# Altium PCB dashcam_cpu_v2.0.PcbDoc (part 3 of 4) (continued)
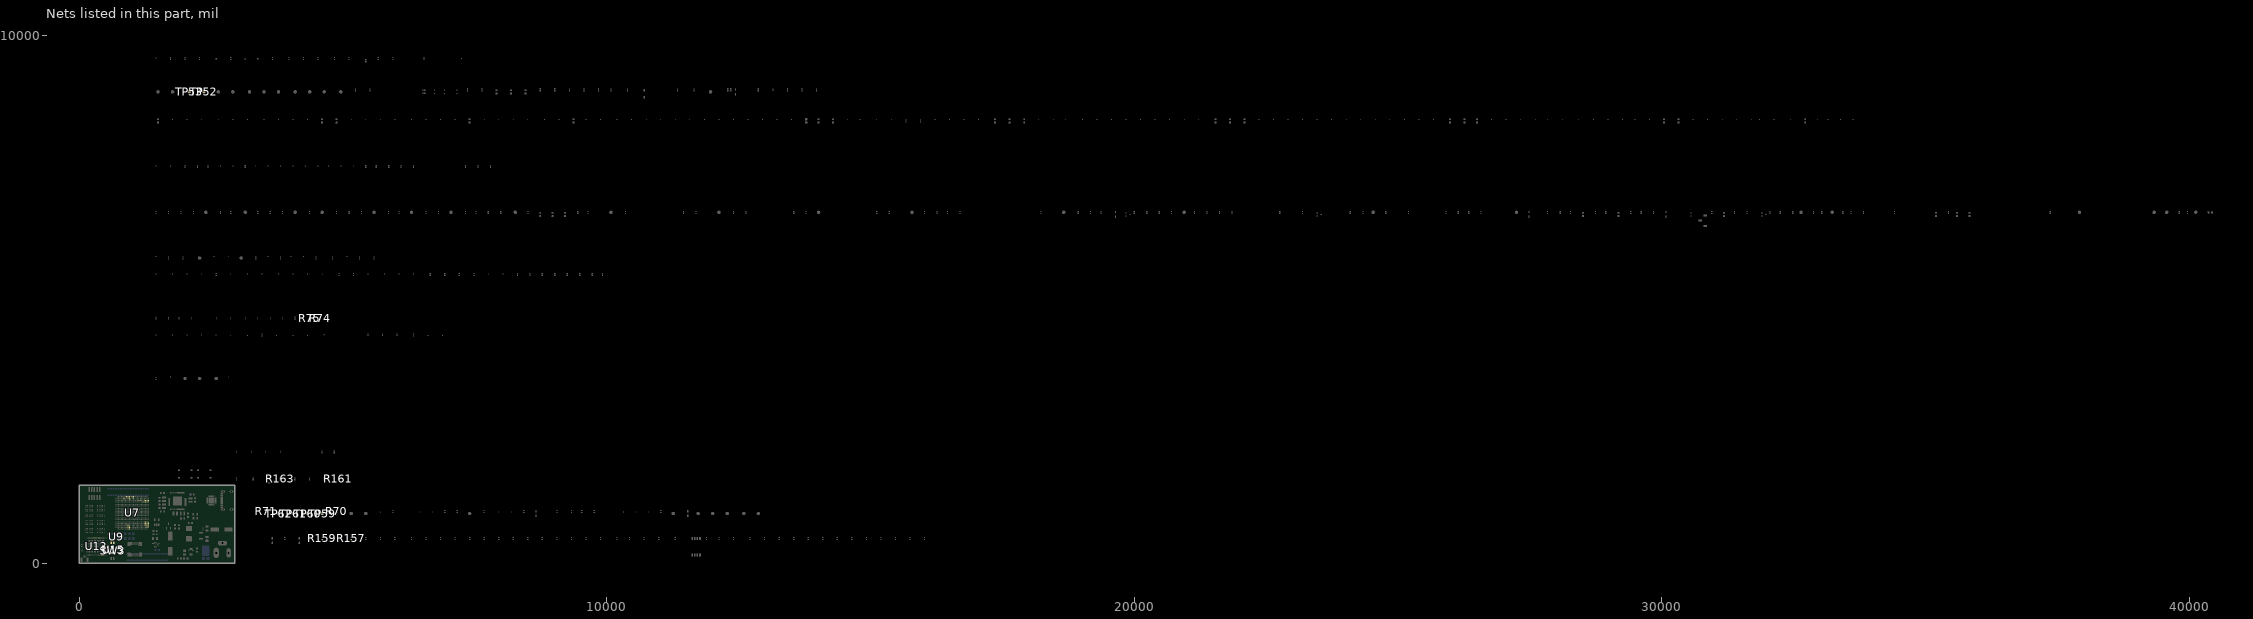
[diagram p3: the nets of this part, all layers, seen from the top]
## Part data (continued)
C274 C279 C280: library part CAP_1UF_10V_X6S_0402, "0402 10 V 1 uF ±10% Tolerance X6S Multilayer Ceramic Capacitor", Capacitance=1uF, Case Code (Imperial)=0402, Case Code (Metric)=1005, Dielectric=X6S, Manufacturer=Murata, Max Operating Temperature=105°C, Min Operating Temperature=-55°C, Package Quantity=10000, Supplier Part Number 1=490-12699-6-ND, Tolerance=10%, Voltage Rating=10V, Case/Package=0402, Category="Ceramic Capacitors", ComponentLink1Description=http://www.mouser.com/ds/2/281/c02e-2905.pdf?src-supplier=Mouser, ComponentLink1URL=http://www.mouser.com/ds/2/281/c02e-2905.pdf?src-supplier=Mouser, ComponentLink2Description=https://datasheet.octopart.com/GRM155C81A105KA12D-Murata-datasheet-22122223.pdf?src-supplier=Future+Electronics, ComponentLink2URL=https://datasheet.octopart.com/GRM155C81A105KA12D-Murata-datasheet-22122223.pdf?src-supplier=Future+Electronics, ComponentLink3Description=https://datasheet.octopart.com/GRM155C81A105KA12D-Murata-datasheet-149522926.pdf?src-supplier=Newark, ComponentLink3URL=https://datasheet.octopart.com/GRM155C81A105KA12D-Murata-datasheet-149522926.pdf?src-supplier=Newark, ComponentLink4Description=http://search.murata.co.jp/Ceramy/image/img/A01X/G101/ENG/GRM155C81A105KA12-01.pdf?src-supplier=Digikey, ComponentLink4URL=http://search.murata.co.jp/Ceramy/image/img/A01X/G101/ENG/GRM155C81A105KA12-01.pdf?src-supplier=Digikey, ComponentLink5Description=http://search.murata.co.jp/Ceramy/image/img/A01X/partnumbering_e_01.pdf?src-supplier=Digikey, ComponentLink5URL=http://search.murata.co.jp/Ceramy/image/img/A01X/partnumbering_e_01.pdf?src-supplier=Digikey, ComponentLink6Description=https://datasheet.octopart.com/GRM155C81A105KA12D-Murata-datasheet-165579666.pdf?src-supplier=TME, ComponentLink6URL=https://datasheet.octopart.com/GRM155C81A105KA12D-Murata-datasheet-165579666.pdf?src-supplier=TME, Height=0.5mm, Lead Free="Lead Free", Length=1mm, Manufacturer Part Number=GRM155C81A105KA12D, Material=Ceramic, Mount="Surface Mount", Packaging="Tape and Reel", Pricing 1="1=0.1, 10=0.045, 50=0.026, 100=0.0202, 500=0.01518, 1000=0.01192, 2500=0.01084, 5000=0.00997 (USD)", RoHS=Yes, RoHS Compliant=Yes, Series=GRM, Stock 1=2486564, Supplier 1=Digikey, Termination=SMD/SMT, Thickness=0.022inch, Voltage Rating (DC)=10V, Weight=0.000212oz, Width=0.5mm
D1: library part DIO_SCTKY_100V_6A_PMEG100V060ELPDZ, "DIODESCHOTTKY100V6ACFP15", Manufacturer=Nexperia, Category="Schottky Diodes", ComponentLink1Description=http://www.farnell.com/datasheets/2341403.pdf?src-supplier=Farnell, ComponentLink1URL=http://www.farnell.com/datasheets/2341403.pdf?src-supplier=Farnell, ComponentLink2Description=https://datasheet.octopart.com/PMEG100V060ELPDZ-Nexperia-datasheet-87796136.pdf?src-supplier=Future+Electronics, ComponentLink2URL=https://datasheet.octopart.com/PMEG100V060ELPDZ-Nexperia-datasheet-87796136.pdf?src-supplier=Future+Electronics, Manufacturer Part Number=PMEG100V060ELPDZ, Pricing 1="1=0.58, 10=0.504, 100=0.3491, 500=0.29166 (USD)", RoHS=Yes, RoHS Compliant=Yes, Stock 1=60422, Supplier 1=Digikey
D2: library part DIO_ZENER_3.3V_300mW_BZX585-B3V3,115, "DIODE ZENER 3.3V 300MW SOD523", Manufacturer=Nexperia, Supplier Part Number 1=771-BZX585-B3V3115, Category="Zener Diodes", ComponentLink1Description=http://www.farnell.com/datasheets/2174102.pdf?src-supplier=Farnell, ComponentLink1URL=http://www.farnell.com/datasheets/2174102.pdf?src-supplier=Farnell, ComponentLink2Description=https://assets.nexperia.com/documents/data-sheet/BZX585_SERIES.pdf?src-supplier=Digikey, ComponentLink2URL=https://assets.nexperia.com/documents/data-sheet/BZX585_SERIES.pdf?src-supplier=Digikey, ComponentLink3Description=https://datasheet.octopart.com/BZX585-B3V3%2C115-Nexperia-datasheet-81456219.pdf?src-supplier=Future+Electronics, ComponentLink3URL=https://datasheet.octopart.com/BZX585-B3V3%2C115-Nexperia-datasheet-81456219.pdf?src-supplier=Future+Electronics, Manufacturer Part Number=BZX585-B3V3,115, Pricing 1="1=0.38, 10=0.258, 50=0.258, 100=0.105, 1000=0.073, 3000=0.054, 9000=0.048, 10000=0.048, 24000=0.044, 45000=0.042, 99000=0.037 (USD)", RoHS=Yes, RoHS Compliant=Yes, Stock 1=47007, Supplier 1=Mouser
D3 D4 D5 D6 D7 D8 D15 D16: library part DIO_SCTKY_40V_520mA_ZLLS400TA, "DIODE SCHOTTKY 40V 520MA SOD323", Average Rectified Current=520mA, Capacitance=15pF, Forward Voltage=800mV, Manufacturer="Diodes Zetex", Max Forward Surge Current (Ifsm)=2.5A, Max Operating Temperature=150°C, Max Repetitive Reverse Voltage (Vrrm)=40V, Max Reverse Current=10uA, Min Operating Temperature=-55°C, Package Quantity=3000, Peak Non-Repetitive Surge Current=12A, Power Dissipation=330mW, Supplier Part Number 1=ZLLS400TACT-ND, Category="Rectifier Diodes", ComponentLink1Description=https://datasheet.ciiva.com/914/zlls400-914210.pdf?src-supplier=Digi-Key, ComponentLink1URL=https://datasheet.ciiva.com/914/zlls400-914210.pdf?src-supplier=Digi-Key, ComponentLink2Description=https://datasheet.ciiva.com/914/zlls400-914210.pdf?src-supplier=Avnet, ComponentLink2URL=https://datasheet.ciiva.com/914/zlls400-914210.pdf?src-supplier=Avnet, ComponentLink3Description=https://datasheet.ciiva.com/4715/zlls400-4715517.pdf?src-supplier=Mouser, ComponentLink3URL=https://datasheet.ciiva.com/4715/zlls400-4715517.pdf?src-supplier=Mouser, ComponentLink4Description=https://datasheet.ciiva.com/16379/zlls400-16379288.pdf?src-supplier=Future+Electronics, ComponentLink4URL=https://datasheet.ciiva.com/16379/zlls400-16379288.pdf?src-supplier=Future+Electronics, ComponentLink5Description=https://datasheet.ciiva.com/914/zlls400-914211.pdf?src-supplier=Digi-Key, ComponentLink5URL=https://datasheet.ciiva.com/914/zlls400-914211.pdf?src-supplier=Digi-Key, ComponentLink6Description=https://datasheet.ciiva.com/914/zlls400-914212.pdf?src-supplier=Digi-Key, ComponentLink6URL=https://datasheet.ciiva.com/914/zlls400-914212.pdf?src-supplier=Digi-Key, Current Rating=520mA, Forward Current=520mA, Height=0.8mm, Lead Free="Lead Free", Length=1.8mm, Manufacturer Part Number=ZLLS400TA, Max Reverse Voltage (DC)=40V, Mount="Surface Mount", Number of Pins=2, Output Current=520mA, Packaging="Tape and Reel", Polarity=Standard, Pricing 1="1=0.42, 10=0.359, 100=0.2495, 500=0.19478, 1000=0.15832 (USD)", Radiation Hardening=No, Reverse Recovery Time=3ns, RoHS=Yes, RoHS Compliant=Yes, Series=-, Stock 1=46017, Supplier 1=Digi-Key, Termination=SMD/SMT, Voltage Rating (DC)=40V, Weight=0.000173oz, Width=1.4mm
D9 D14: library part LED_DIO_BICOLOR_LTST-C195KGJRKT, "LED GREEN/RED CLEAR 0606 SMD", Case Code (Imperial)=0606, Case Code (Metric)=1616, Color=Green,Red, Forward Current=30mA, Forward Voltage=2.4V, Lens Color=Colorless, Manufacturer="Vishay Lite-On", Max Operating Temperature=85°C, Min Operating Temperature=-55°C, Package Quantity=4000, Power Dissipation=75mW, Reverse Voltage=5V, Supplier Part Number 1=160-1452-1-ND, Test Current=20mA, Case/Package=0606, Category=LEDs, ComponentLink1Description=https://datasheet.ciiva.com/11774/0900766b80dc055f-11774310.pdf?src-supplier=Rs, ComponentLink1URL=https://datasheet.ciiva.com/11774/0900766b80dc055f-11774310.pdf?src-supplier=Rs, ComponentLink2Description=https://datasheet.ciiva.com/16287/ltst-c195kgjrkt-16287821.pdf?src-supplier=Future+Electronics, ComponentLink2URL=https://datasheet.ciiva.com/16287/ltst-c195kgjrkt-16287821.pdf?src-supplier=Future+Electronics, ComponentLink3Description=https://datasheet.ciiva.com/2110/ltst-c195kgjrkt-2110796.pdf?src-supplier=Digikey, ComponentLink3URL=https://datasheet.ciiva.com/2110/ltst-c195kgjrkt-2110796.pdf?src-supplier=Digikey, ComponentLink4Description=https://datasheet.ciiva.com/15117/getdatasheetpartid-123527-15117625.pdf?src-supplier=Verical, ComponentLink4URL=https://datasheet.ciiva.com/15117/getdatasheetpartid-123527-15117625.pdf?src-supplier=Verical, ComponentLink5Description=https://datasheet.ciiva.com/2110/p-100-ltst-c195kgjrkt-2110797.pdf?src-supplier=Digikey, ComponentLink5URL=https://datasheet.ciiva.com/2110/p-100-ltst-c195kgjrkt-2110797.pdf?src-supplier=Digikey, ComponentLink6Description=https://datasheet.ciiva.com/2110/p-100-ltst-c195kgjrkt-2110798.pdf?src-supplier=Digikey, ComponentLink6URL=https://datasheet.ciiva.com/2110/p-100-ltst-c195kgjrkt-2110798.pdf?src-supplier=Digikey, Depth=1.5mm, Dominant Wavelength=631nm, Height=0.55mm, Illumination Color=Green,Red, Lead Free="Lead Free", Length=1.6mm, Lens Size=1.5mm, Lens Style=Flat,Diffused,Colorless,Rectangular,Clear, Lens Transparency=Clear, Luminous Intensity=45mcd, Manufacturer Part Number=LTST-C195KGJRKT, Mount="Surface Mount", Number of Elements=2, Number of LEDs=2, Number of Pins=2, Packaging="Tape and Reel", Power Rating=75mW, Pricing 1="1=0.43, 10=0.283, 100=0.1886, 500=0.13042, 1000=0.10868, 2000=0.09781 (USD)", Radiation Hardening=No, RoHS=Yes, RoHS Compliant=Yes, Series=-, Stock 1=405899, Supplier 1=Digikey, Viewing Angle=130°, Wavelength=639nm, Width=1.5mm
D10: library part DIO_RECT_40V_1A_1N5819HW-7-F, "Rectifier Diode, Schottky, 1 Phase, 1 Element, 1A, 40V V(RRM), Silicon", Average Rectified Current=1A, Capacitance=50pF, Case/Package=SOD-123-2, Forward Voltage=450mV, Manufacturer=Diodes, Max Forward Surge Current (Ifsm)=25A, Max Operating Temperature=125°C, Max Power Dissipation=450mW, Max Repetitive Reverse Voltage (Vrrm)=40V, Max Reverse Current=50uA, Min Operating Temperature=-65°C, Package Quantity=3000, Supplier Part Number 1=1N5819HW-FDIDKR-ND, Category="Rectifier Diodes", ComponentLink1Description=https://datasheet.ciiva.com/16303/ds30217-16303296.pdf?src-supplier=Future+Electronics, ComponentLink1URL=https://datasheet.ciiva.com/16303/ds30217-16303296.pdf?src-supplier=Future+Electronics, ComponentLink2Description=https://datasheet.ciiva.com/27092/1538419-27092484.pdf?src-supplier=Jameco, ComponentLink2URL=https://datasheet.ciiva.com/27092/1538419-27092484.pdf?src-supplier=Jameco, ComponentLink3Description=https://datasheet.ciiva.com/912/ds30217-912801.pdf?src-supplier=Digikey, ComponentLink3URL=https://datasheet.ciiva.com/912/ds30217-912801.pdf?src-supplier=Digikey, ComponentLink4Description=https://datasheet.ciiva.com/912/ds30217-912802.pdf?src-supplier=Digikey, ComponentLink4URL=https://datasheet.ciiva.com/912/ds30217-912802.pdf?src-supplier=Digikey, ComponentLink5Description=https://datasheet.ciiva.com/912/ds30217-912803.pdf?src-supplier=Digikey, ComponentLink5URL=https://datasheet.ciiva.com/912/ds30217-912803.pdf?src-supplier=Digikey, ComponentLink6Description=https://datasheet.ciiva.com/8303/ds30217-8303132.pdf?src-supplier=Avnet, ComponentLink6URL=https://datasheet.ciiva.com/8303/ds30217-8303132.pdf?src-supplier=Avnet, ComponentLink7Description=https://datasheet.ciiva.com/1177/ds30217-1177089.pdf?src-supplier=Element14, ComponentLink7URL=https://datasheet.ciiva.com/1177/ds30217-1177089.pdf?src-supplier=Element14, Current Rating=1A, Forward Current=1A, Height=1.25mm, Lead Free="Lead Free", Length=2.85mm, Manufacturer Part Number=1N5819HW-7-F, Max Reverse Voltage (DC)=40V, Number of Pins=2, Output Current=1A, Packaging="Tape and Reel", Peak Non-Repetitive Surge Current=25A, Polarity=Standard, Pricing 1="1=0.41, 10=0.289, 100=0.146, 500=0.11908, 1000=0.08836 (USD)", Radiation Hardening=No, Reach SVHC Compliant=No, Reverse Voltage=40V, RoHS=Yes, RoHS Compliant=Yes, Series=-, Stock 1=221439, Supplier 1=Digikey, Termination=SMD/SMT, Voltage Rating (DC)=40V, Weight=0.000353oz, Width=1.7mm
D11 D12 D13: library part DIO_TVS_BID_5V_PESD5V0S1BB,115, "ESD Suppressor Diode TVS Bi-Dir 5V Automotive 2-Pin SOD-523 T/R / TVS DIODE 5VWM 14VC SOD523", Breakdown Voltage=5.5V, Manufacturer=Nexperia, Operating Supply Voltage=5V, Supplier Part Number 1=1727-3838-1-ND, Category="ESD and Circuit Protection ICs", ComponentLink1Description=http://www.farnell.com/datasheets/461331.pdf?src-supplier=Farnell, ComponentLink1URL=http://www.farnell.com/datasheets/461331.pdf?src-supplier=Farnell, ComponentLink2Description=https://www.mouser.com/ds/2/302/PESD5V0S1BA_BB_BL-1150699.pdf?src-supplier=Mouser, ComponentLink2URL=https://www.mouser.com/ds/2/302/PESD5V0S1BA_BB_BL-1150699.pdf?src-supplier=Mouser, ComponentLink3Description=https://assets.nexperia.com/documents/data-sheet/PESD5V0S1BA_BB_BL.pdf?src-supplier=Digikey, ComponentLink3URL=https://assets.nexperia.com/documents/data-sheet/PESD5V0S1BA_BB_BL.pdf?src-supplier=Digikey, ComponentLink4Description=http://www.farnell.com/datasheets/461331.pdf?src-supplier=Newark, ComponentLink4URL=http://www.farnell.com/datasheets/461331.pdf?src-supplier=Newark, Manufacturer Part Number=PESD5V0S1BB,115, Number of Pins=2, Packaging="Tape and Reel", Pricing 1="1=0.35, 10=0.243, 100=0.1226, 500=0.10004, 1000=0.07422, 3000=0.06245, 6000=0.0597, 9000=0.05163, 30000=0.05067, 75000=0.04195, 150000=0.04131 (USD)", RoHS=Yes, RoHS Compliant=Yes, Stock 1=221713, Supplier 1=Digikey
FL1: library part RF_FILTER_HIGH_PASS_DEA075150HT-8036A1, "RF Filter High Pass 5150MHz 2400MHz to 2500MHz 0.5dB 50Ohm SMD 4Pin 0202 T/R", Case Code (Imperial)=0202, Case Code (Metric)=0505, Frequency=5GHz, Manufacturer=TDK, Supplier Part Number 1=445-175384-1-ND, ComponentLink1Description=https://media.digikey.com/pdf/Data%20Sheets/TDK%20PDFs/DEA075150HT-8036A1_Rev1.0.pdf?src-supplier=Digikey, ComponentLink1URL=https://media.digikey.com/pdf/Data%20Sheets/TDK%20PDFs/DEA075150HT-8036A1_Rev1.0.pdf?src-supplier=Digikey, Insertion Loss=0.5dB, Manufacturer Part Number=DEA075150HT-8036A1, Mount="Surface Mount", Packaging="Cut Tape", Pricing 1="1=0.24, 10=0.23, 25=0.2228, 50=0.2154, 100=0.2042, 250=0.1708, 500=0.13256, 1000=0.12625, 5000=0.11139 (USD)", RoHS=No, Series=DEA, Stock 1=5961, Supplier 1=Digikey
J1: library part CONN_DC_JACK_2X6.5mm_PJ-202AH, "2.0 x 6.5 mm, 5.0 A, Horizontal, Through Hole, Kinked Pins, Dc Power Jack Connector", Body Color=Black, Flammability Rating="UL94 V-0", Manufacturer="CUI Devices", Max Operating Temperature=85°C, Min Operating Temperature=-25°C, Supplier Part Number 1=CP-202AH-ND, Category="Power Connectors", ComponentLink1Description=https://datasheet.octopart.com/PJ-202AH-CUI-Devices-datasheet-137760703.pdf?src-supplier=Future+Electronics, ComponentLink1URL=https://datasheet.octopart.com/PJ-202AH-CUI-Devices-datasheet-137760703.pdf?src-supplier=Future+Electronics, ComponentLink2Description=https://datasheet.octopart.com/PJ-202AH-CUI-datasheet-54017.pdf?src-supplier=Digi-Key, ComponentLink2URL=https://datasheet.octopart.com/PJ-202AH-CUI-datasheet-54017.pdf?src-supplier=Digi-Key, ComponentLink3Description=https://datasheet.octopart.com/PJ-202AH-CUI-Devices-datasheet-141002001.pdf?src-supplier=Electro+Sonic, ComponentLink3URL=https://datasheet.octopart.com/PJ-202AH-CUI-Devices-datasheet-141002001.pdf?src-supplier=Electro+Sonic, Connector Type=Jack, Contact Material=Brass, Contact Plating=Silver, Gender=Male, Housing Material=PBT, Manufacturer Part Number=PJ-202AH, Mount="Through Hole", Pricing 1="1=0.78, 25=0.6528, 100=0.5988, 500=0.48902, 2500=0.40274, 10000=0.36162 (USD)", RoHS=Yes, Series=-, Shielding=Unshielded, Stock 1=143167, Supplier 1=Digi-Key, Termination="Kinked Pin"
J2: library part CONN_HEADER_MALE_10P_2R_1.27MM, "Conn Unshrouded Header HDR 10 POS 1.27mm Solder ST Top Entry SMD Minitek127® T/R", Color=Black, Contact Resistance=30mR, Current Rating=1A, Manufacturer="Amphenol ICC / FCI", Max Operating Temperature=85°C, Max Voltage Rating (AC)=125V, Min Operating Temperature=-40°C, Package Quantity=600, Supplier Part Number 1=28X2682, Category="Headers and Wire Housings", Connector Type=Header, Contact Material="Copper Alloy,Copper", Contact Mating Length=0.12inch, Contact Plating=Gold, Contact Type="Male Pin", Depth=3.4mm, Housing Color=Black, Housing Material=Thermoplastic, Length=6.35mm, Manufacturer Part Number=20021121-00010C4LF, Mount="Surface Mount", Number of Contacts=10, Number of Positions=10, Number of Rows=2, Orientation=Straight, Packaging="Tape and Reel", Pitch=1.27mm, Pricing 1="1=0.363, 1200=0.363, 2400=0.363, 4800=0.363, 7200=0.363, 12000=0.363 (USD)", Radiation Hardening=No, Reach SVHC Compliant=No, RoHS=No, Row Spacing=0.05inch, Series=Minitek, Stack Height=3mm, Stock 1=9600, Supplier 1=Newark, Termination=Solder, Voltage Rating=125V
J3: library part "CONN_USB_TYPEC_2.0_16P_TYPE-C 16PIN 2MD(073)", "5A 1 Surface Mount 16P Female -25℃~+85℃ Type-C SMD USB Connectors ROHS", Manufacturer="SHOU HAN", Supplier Part Number 1=664-12402012E212ACT-ND, Category=Connectors, Manufacturer Part Number="TYPE-C 16PIN 2MD(073)", Pricing 1="0.0523 (USD)", RoHS=No, Supplier 1=LCSC
J4: library part CONN_UFL_RF_5OR_U.FL-R-SMT-1(10), "RF Connector, 1 Contact(s), Male, Board Mount, Surface Mount Terminal, Receptacle", Dielectric Material=Polymer, Housing Color=Beige, Insulation Resistance=500MR, Manufacturer=Hirose, Max Frequency=6GHz, Max Operating Temperature=90°C, Min Operating Temperature=-40°C, Package Quantity=2500, Supplier Part Number 1=H11891DKR-ND, Body Material=Bronze, Body Plating=Silver, Category="RF / Coaxial Connectors", Center Contact Plating=Gold, ComponentLink1Description=https://datasheet.ciiva.com/11762/0900766b8105243f-11762474.pdf?src-supplier=Rs, ComponentLink1URL=https://datasheet.ciiva.com/11762/0900766b8105243f-11762474.pdf?src-supplier=Rs, ComponentLink2Description=https://datasheet.ciiva.com/7651/91524-7651914.pdf?src-supplier=Element14, ComponentLink2URL=https://datasheet.ciiva.com/7651/91524-7651914.pdf?src-supplier=Element14, ComponentLink3Description=https://datasheet.ciiva.com/7651/91524-7651915.pdf?src-supplier=Element14, ComponentLink3URL=https://datasheet.ciiva.com/7651/91524-7651915.pdf?src-supplier=Element14, Connector Type="Receptacle,Male Pin", Contact Material=Brass, Fastening Type=SNAP-ON, Impedance=50R, Lead Free=5697LeadFree, Manufacturer Part Number=U.FL-R-SMT-1(10), Mating Cycles=30, Mount="Surface Mount", Number of Ports=1, Orientation=Straight, Packaging="Tape and Reel", Pricing 1="1=1.26, 10=1.064, 25=1.0208, 50=0.9988, 100=0.9555, 250=0.8686, 500=0.78174, 1000=0.69488 (USD)", RoHS=Yes, RoHS Compliant=Yes, Series=U.FL, Stock 1=174716, Supplier 1=Digikey, Termination=Solder, Weight=0.001764oz
J5 J6: library part CONN_B2B_100P_RE_DF40C-100DS-0.4V(51), "Board-to-Board Connector with 0.4-mm Pitch, 1.5 - 4.0-mm Height - DF40 Series (HIROSE ELECTRIC)", Contact Resistance=90mR, Contact Voltage Rating (AC)=30V, Current Rating=300mA, Housing Color=Black, Manufacturer=Hirose, Max Operating Temperature=85°C, Min Operating Temperature=-35°C, Package Quantity=1, Supplier Part Number 1=H11615CT-ND, Category="Headers and Wire Housings", ComponentLink1Description=https://datasheet.ciiva.com/26948/getdatasheetpartid-441624-26948933.pdf?src-supplier=Verical, ComponentLink1URL=https://datasheet.ciiva.com/26948/getdatasheetpartid-441624-26948933.pdf?src-supplier=Verical, ComponentLink2Description=https://datasheet.ciiva.com/46408/1824826-46408894.pdf?src-supplier=Element14, ComponentLink2URL=https://datasheet.ciiva.com/46408/1824826-46408894.pdf?src-supplier=Element14, Connector Type=Receptacle, Contact Material=Bronze, Contact Pitch=400um, Contact Plating=Gold, Contact Voltage Rating (DC)=30V, Depth=3.38mm, Gender=Receptacle, Housing Material=Polymer, Lead Free="Lead Free", Length=22.6mm, Manufacturer Part Number=DF40C-100DS-0.4V(51), Mated Stacking Heights=1.5mm, Max Current Rating=300mA, Max Voltage Rating (AC)=30V, Mount="Surface Mount", Number of Contacts=100, Number of Positions=100, Number of Rows=2, Orientation=Straight, Packaging="Tape and Reel", Pitch=0.4mm, Pricing 1="1=1.91, 10=1.661, 25=1.5908, 50=1.5554, 100=1.4847, 250=1.34328, 500=1.23724, 1000=1.0605, 2500=0.9898 (USD)", Radiation Hardening=No, Reach SVHC Compliant=No, RoHS=Yes, RoHS Compliant=Yes, Series=DF40, Stock 1=4275, Supplier 1=Digikey, Termination=SMD/SMT, Voltage Rating=30V
L1: library part IND_1.5uH_11A_744311150, "Power Choke Shielded Wirewound 1.5uH/1.12uH 20% 100KHz 11A 6.6mOhm DCR T/R", Case/Package=7040, Current Rating=11A, DC Resistance (DCR)=6.6mR, Inductance=1.5uH, Inductance Tolerance=20%, Manufacturer="Wurth Electronics", Max Operating Temperature=150°C, Min Operating Temperature=-40°C, Package Quantity=1, Ratings=AEC-Q200, Saturation Current=14A, Self Resonant Frequency=72MHz, Series Resistance=6.6R, Supplier Part Number 1=732-1150-1-ND, Test Frequency=100kHz, Category="Fixed Inductors", ComponentLink1Description=https://datasheet.ciiva.com/7354/744311150-7354372.pdf?src-supplier=Newark, ComponentLink1URL=https://datasheet.ciiva.com/7354/744311150-7354372.pdf?src-supplier=Newark, ComponentLink2Description=https://datasheet.ciiva.com/7765/1735736-7765005.pdf?src-supplier=Element14, ComponentLink2URL=https://datasheet.ciiva.com/7765/1735736-7765005.pdf?src-supplier=Element14, ComponentLink3Description=https://datasheet.ciiva.com/4954/744311150-54367-4954829.pdf?src-supplier=Mouser, ComponentLink3URL=https://datasheet.ciiva.com/4954/744311150-54367-4954829.pdf?src-supplier=Mouser, ComponentLink4Description=https://datasheet.ciiva.com/11801/0900766b80f886c8-11801798.pdf?src-supplier=Rs, ComponentLink4URL=https://datasheet.ciiva.com/11801/0900766b80f886c8-11801798.pdf?src-supplier=Rs, ComponentLink5Description=https://datasheet.ciiva.com/26307/744311150-eng-tds-26307909.pdf?src-supplier=Distrelec, ComponentLink5URL=https://datasheet.ciiva.com/26307/744311150-eng-tds-26307909.pdf?src-supplier=Distrelec, ComponentLink6Description=https://datasheet.ciiva.com/6692/744311150-6692686.pdf?src-supplier=Digikey, ComponentLink6URL=https://datasheet.ciiva.com/6692/744311150-6692686.pdf?src-supplier=Digikey, ComponentLink7Description=https://datasheet.ciiva.com/6692/744311150-6692685.pdf?src-supplier=Digikey, ComponentLink7URL=https://datasheet.ciiva.com/6692/744311150-6692685.pdf?src-supplier=Digikey, ComponentLink8Description=https://datasheet.ciiva.com/6692/744311150-6692687.pdf?src-supplier=Digikey, ComponentLink8URL=https://datasheet.ciiva.com/6692/744311150-6692687.pdf?src-supplier=Digikey, ComponentLink9Description=https://datasheet.ciiva.com/48691/001087434-da-01-ml-we-hci-smd-hochstromind-744311150-de-en-48691386.pdf?src-supplier=Conrad, ComponentLink9URL=https://datasheet.ciiva.com/48691/001087434-da-01-ml-we-hci-smd-hochstromind-744311150-de-en-48691386.pdf?src-supplier=Conrad, Depth=7.2mm, Height=3.8mm, Height - Seated (Max)=0.157inch, Lead Free="Lead Free", Length=7mm, Manufacturer Part Number=744311150, Max DC Current=11A, Military Standard=Not, Mount="Surface Mount", Number of Pins=2, Packaging="Tape and Reel", Pricing 1="1=3.8, 10=3.72, 50=3.44, 100=3.29, 500=3.08 (USD)", Reach SVHC Compliant=Unknown, RMS Current (Irms)=11A, RoHS=Yes, RoHS Compliant=Yes, Series=WE-HCI, Shielding=Shielded, Stock 1=12000, Supplier 1=Digikey, Termination=SMD/SMT, Tolerance=20%, Width=6.9mm
L2 L3: library part IND_0.47uH_4.5A_MCKK2012TR47M, "Inductor Power Chip Multi-Layer 0.47uH 20% 1MHz Metal 3.1A 0.039Ohm DCR 0805 T/R", Case Code (Imperial)=0805, Case Code (Metric)=2012, Current Rating=4.5A, DC Resistance (DCR)=39mR, Inductance=470nH, Manufacturer="Taiyo Yuden", Max Operating Temperature=125°C, Min Operating Temperature=-40°C, Supplier Part Number 1=587-5632-1-ND, Test Frequency=1MHz, Tolerance=20%, Case/Package=0805, Category="Fixed Inductors", ComponentLink1Description="https://ds.yuden.co.jp/TYCOMPAS/ut/detail?pn=MCKK2012TR47M &amp;u=M&src-supplier=Digi-Key", ComponentLink1URL="https://ds.yuden.co.jp/TYCOMPAS/ut/detail?pn=MCKK2012TR47M &amp;u=M&src-supplier=Digi-Key", ComponentLink2Description=http://ds.yuden.co.jp/TYCOMPAS/ut/detail.do?productNo=MCKK2012TR47M&fileName=MCKK2012TR47M_SS&mode=specSheetDownload&src-supplier=Digi-Key, ComponentLink2URL=http://ds.yuden.co.jp/TYCOMPAS/ut/detail.do?productNo=MCKK2012TR47M&fileName=MCKK2012TR47M_SS&mode=specSheetDownload&src-supplier=Digi-Key, ComponentLink3Description=http://ds.yuden.co.jp/TYCOMPAS/ut/detail.do?productNo=MCKK2012TR47M&amp;fileName=MCKK2012TR47M_SS&amp;mode=specSheetDownload&src-supplier=Digi-Key, ComponentLink3URL=http://ds.yuden.co.jp/TYCOMPAS/ut/detail.do?productNo=MCKK2012TR47M&amp;fileName=MCKK2012TR47M_SS&amp;mode=specSheetDownload&src-supplier=Digi-Key, Core Material=Metal, Manufacturer Part Number=MCKK2012TR47M, Mount="Surface Mount", Packaging="Cut Tape", Pricing 1="1=0.34, 10=0.279, 25=0.2572, 50=0.2358, 100=0.2079, 250=0.20152, 500=0.18008, 1000=0.14577 (USD)", RoHS=Yes, RoHS Compliant=Yes, Series="MCOIL™, MC", Shielding=Shielded, Stock 1=59761, Supplier 1=Digi-Key
L4 L5 L6 L7 L8: library part IND_1UH_3A_WPN252012H1R0MT, "Fixed Ind 1.020%UH 0.048 Ohm 4200", Current Rating=3A, Inductance=1uH, Manufacturer=Sunlord, Supplier Part Number 1=3442-WPN252012H1R0MTCT-ND, Category="Fixed Inductors", Manufacturer Part Number=WPN252012H1R0MT, Pricing 1="1=0.39, 10=0.333, 25=0.3056, 50=0.2778, 100=0.2472, 250=0.23332, 500=0.19998, 1000=0.17776 (USD)", RoHS=Yes, Stock 1=17941, Supplier 1=Digi-Key
L9: library part IND_FERRITE_BEADS_350mA_0201_BLM03AX241SN1D, "Ferrite Beads Multi-Layer 240Ohm 25% 100MHz 350mA 380mOhm DCR 0201 Paper T/R", Case Code (Imperial)=0201, Case Code (Metric)=0603, Current Rating=350mA, DC Resistance (DCR)=380mR, Manufacturer=Murata, Max Operating Temperature=125°C, Min Operating Temperature=-55°C, Package Quantity=1, Supplier Part Number 1=490-5623-1-ND, Test Frequency=100MHz, Tolerance=25%, Case/Package=0201, Category="Ferrite Beads and Chips", ComponentLink1Description=https://datasheet.ciiva.com/41449/001172129-da-01-en-drossel-0201-240r-30-6x0-3mm-15000st-41449419.pdf?src-supplier=Conrad, ComponentLink1URL=https://datasheet.ciiva.com/41449/001172129-da-01-en-drossel-0201-240r-30-6x0-3mm-15000st-41449419.pdf?src-supplier=Conrad, ComponentLink2Description=https://datasheet.ciiva.com/1012/l0110e-1012684.pdf?src-supplier=Digi-Key, ComponentLink2URL=https://datasheet.ciiva.com/1012/l0110e-1012684.pdf?src-supplier=Digi-Key, ComponentLink3Description=https://datasheet.ciiva.com/1012/l0110e-1012683.pdf?src-supplier=Digi-Key, ComponentLink3URL=https://datasheet.ciiva.com/1012/l0110e-1012683.pdf?src-supplier=Digi-Key, ComponentLink4Description=https://datasheet.ciiva.com/1012/l0110e-1012685.pdf?src-supplier=Digi-Key, ComponentLink4URL=https://datasheet.ciiva.com/1012/l0110e-1012685.pdf?src-supplier=Digi-Key, Height=0.3mm, Impedance=240R, Length=0.024inch, Manufacturer Part Number=BLM03AX241SN1D, Material=Steel, Max Current Rating=350mA, Max DC Current=350mA, Number of Circuits=1, Number of Lines=1, Number of Pins=2, Packaging="Tape and Reel", Pricing 1="1=0.1, 10=0.026, 25=0.0232, 50=0.0212, 100=0.0191, 250=0.014, 500=0.01018, 1000=0.00997, 5000=0.00679 (USD)", RoHS=Yes, RoHS Compliant=Yes, Series=BLM03AX, Stock 1=129375, Supplier 1=Digi-Key, Termination=SMD/SMT, Width=0.3mm
L10: library part IND_FERRITE_BEADS_120R_2A_0603_BLM18PG121SH1D, "Ferrite Beads Multi-Layer 120Ohm 25% 100MHz 2A 50mOhm DCR 0603 Automotive Paper T/R", Case Code (Imperial)=0603, Case Code (Metric)=1608, Current Rating=2A, DC Resistance-Max=50mR, Manufacturer=Murata, Max Operating Temperature=125°C, Min Operating Temperature=-55°C, Package Quantity=1, Ratings=AEC-Q200, Supplier Part Number 1=490-7815-6-ND, Test Frequency=100MHz, Tolerance=25%, Case/Package=0603, Category="Ferrite Beads and Chips", ComponentLink1Description=https://datasheet.octopart.com/BLM18PG121SH1D-Murata-datasheet-141273661.pdf?src-supplier=Element14, ComponentLink1URL=https://datasheet.octopart.com/BLM18PG121SH1D-Murata-datasheet-141273661.pdf?src-supplier=Element14, ComponentLink2Description=https://datasheet.octopart.com/BLM18PG121SH1D-Murata-datasheet-62086335.pdf?src-supplier=Future+Electronics, ComponentLink2URL=https://datasheet.octopart.com/BLM18PG121SH1D-Murata-datasheet-62086335.pdf?src-supplier=Future+Electronics, ComponentLink3Description=http://search.murata.co.jp/Ceramy/image/img/PDF/ENG/L0132S0193BLM18P.pdf?src-supplier=Avnet, ComponentLink3URL=http://search.murata.co.jp/Ceramy/image/img/PDF/ENG/L0132S0193BLM18P.pdf?src-supplier=Avnet, ComponentLink4Description=https://www.murata.com/en-us/products/productdata/8796738650142/ENFA0003.pdf?src-supplier=Digi-Key, ComponentLink4URL=https://www.murata.com/en-us/products/productdata/8796738650142/ENFA0003.pdf?src-supplier=Digi-Key, Contact Plating=Tin,Matte, Depth=0.8mm, Height=0.8mm, Impedance=120R, Lead Free="Lead Free", Length=1.6mm, Manufacturer Part Number=BLM18PG121SH1D, Material=Ferrite, Max Current Rating=2A, Max DC Current=2A, Mount="Surface Mount", Number of Circuits=1, Number of Lines=1, Packaging="Tape and Reel", Pricing 1="1=0.11, 10=0.086, 25=0.0772, 50=0.0566, 100=0.0489, 250=0.03864, 500=0.03262, 1000=0.02747 (USD)", RoHS=Yes, RoHS Compliant=Yes, Series="EMIFIL®, BLM18P", Shielding=Unshielded, Stock 1=282143, Supplier 1=Digi-Key, Termination=SMD/SMT, Weight=7.1E-05oz, Width=0.031inch
Q1: library part TRANS_FET_CH_P_12V_4.3A_IRLML6401TRPBF, "Mosfet, Power; P-ch; Vdss -12V; Rds(on) 0.05 Ohm; Id -4.3A; MICRO3; Pd 1.3W; Vgs +/-8V", Case/Package=SOT-23, Continuous Drain Current (ID)=4.3A, Current Rating=-4.3A, Drain to Source Voltage (Vdss)=-12V, Input Capacitance=830pF, Manufacturer=Infineon, Max Operating Temperature=150°C, Max Power Dissipation=1.3W, Min Operating Temperature=-55°C, On-State Resistance=50mR, Package Quantity=3000, Supplier Part Number 1=942-IRLML6401TRPBF, Threshold Voltage=-550mV, Category=MOSFETs, ComponentLink1Description=http://www.farnell.com/datasheets/1912227.pdf?src-supplier=Farnell, ComponentLink1URL=http://www.farnell.com/datasheets/1912227.pdf?src-supplier=Farnell, ComponentLink2Description=https://www.infineon.com/dgdl/irlml6401pbf.pdf?fileId=5546d462533600a401535668b96d2634&src-supplier=Digikey, ComponentLink2URL=https://www.infineon.com/dgdl/irlml6401pbf.pdf?fileId=5546d462533600a401535668b96d2634&src-supplier=Digikey, ComponentLink3Description=http://datasheet.octopart.com/IRLML6401TRPBF-International-Rectifier-datasheet-66727.pdf?src-supplier=Future+Electronics, ComponentLink3URL=http://datasheet.octopart.com/IRLML6401TRPBF-International-Rectifier-datasheet-66727.pdf?src-supplier=Future+Electronics, ComponentLink4Description=http://www.farnell.com/datasheets/1912227.pdf?src-supplier=Newark, ComponentLink4URL=http://www.farnell.com/datasheets/1912227.pdf?src-supplier=Newark, ComponentLink5Description=https://datasheet.octopart.com/IRLML6401TRPBF-Infineon-datasheet-41193306.pdf?src-supplier=Newark, ComponentLink5URL=https://datasheet.octopart.com/IRLML6401TRPBF-Infineon-datasheet-41193306.pdf?src-supplier=Newark, ComponentLink6Description=http://datasheet.octopart.com/IRLML6401TRPBF-International-Rectifier-datasheet-66727.pdf?src-supplier=Rs, ComponentLink6URL=http://datasheet.octopart.com/IRLML6401TRPBF-International-Rectifier-datasheet-66727.pdf?src-supplier=Rs, ComponentLink7Description=http://www.farnell.com/datasheets/1912227.pdf?src-supplier=Element14, ComponentLink7URL=http://www.farnell.com/datasheets/1912227.pdf?src-supplier=Element14, ComponentLink8Description=https://datasheet.octopart.com/IRLML6401TRPBF-International-Rectifier-datasheet-10898914.pdf?src-supplier=Element14, ComponentLink8URL=https://datasheet.octopart.com/IRLML6401TRPBF-International-Rectifier-datasheet-10898914.pdf?src-supplier=Element14, Dual Supply Voltage=-12V, Fall Time=210ns, Halogen Free="Halogen Free", Lead Free="Lead Free", Manufacturer Part Number=IRLML6401TRPBF, Max Dual Supply Voltage=-12V, Mount="Surface Mount", Nominal Vgs=-550mV, Number of Channels=1, Number of Elements=1, Number of Pins=3, Packaging="Cut Tape", Pricing 1="1=0.47, 10=0.259, 50=0.259, 100=0.161, 1000=0.144, 10000=0.088 (USD)", Radiation Hardening=No, Rds On Max=50mR, Reach SVHC Compliant=No, Resistance=50mR, RoHS=Yes, RoHS Compliant=Yes, Series=HEXFET®, Stock 1=257081, Supplier 1=Mouser, Termination=SMD/SMT, Voltage Rating (DC)=-12V
Q2 Q4: library part TRANS_FET_CH_N_30V_0.1A, "Trans Mosfet N-ch 30V 0.1A 3-PIN SOT-323 T/r", Case/Package=SOT-323, Continuous Drain Current (ID)=100mA, Drain to Source Voltage (Vdss)=30V, Input Capacitance=13pF, Manufacturer=MCC, Max Operating Temperature=150°C, Max Power Dissipation=200mW, Min Operating Temperature=-55°C, Supplier Part Number 1=2SK3018-TPMSCT-ND, ComponentLink1Description=http://www.mccsemi.com/up_pdf/2SK3018(SOT-323).pdf?src-supplier=Digi-Key, ComponentLink1URL=http://www.mccsemi.com/up_pdf/2SK3018(SOT-323).pdf?src-supplier=Digi-Key, Manufacturer Part Number=2SK3018-TP, Mount="Surface Mount", Packaging="Cut Tape", Pricing 1="1=0.41, 10=0.289, 100=0.1458, 500=0.11898, 1000=0.08827 (USD)", Rds On Max=8R, RoHS=Yes, RoHS Compliant=Yes, Series=-, Stock 1=57538, Supplier 1=Digi-Key
Q3: library part TRANS_FET_CH_N_50V_0.2A_RYU002N05T306, "Trans MOSFET N-CH Si 50V 0.2A 3-Pin UMT T/R", Continuous Drain Current (ID)=200mA, Drain to Source Voltage (Vdss)=50V, Manufacturer=Rohm, Category=MOSFETs, Lead Free="Lead Free", Manufacturer Part Number=RYU002N05T306, Pricing 1="705=0.1073, 1000=0.1038, 2500=0.1007 (USD)", RoHS=Yes, RoHS Compliant=Yes, Stock 1=3000, Supplier 1=Verical, Supplier Part Number 1=RYU002N05T306
R1: library part RES_3.3R_1%_125mW_0603, "Thick Film Chip Resistor 0603 SMD 3.3 Ohm 1% 0.125W(1/8W) 200ppm/C", Case Code (Imperial)=0603, Case Code (Metric)=1608, Manufacturer="KOA Speer", Max Operating Temperature=155°C, Max Power Dissipation=125mW, Min Operating Temperature=-55°C, Power Rating=100mW, Ratings=AEC-Q200, Resistance=3.3R, Resistance Tolerance=1%, Resistor Type="Thick Film", Supplier Part Number 1=2019-RK73H1JTTD3R30FCT-ND, Temperature Coefficient=200ppm/°C, Voltage Rating=50V, Case/Package=0603, Category="Chip SMD Resistors", ComponentLink1Description=https://datasheet.ciiva.com/5556/rk73h-5556827.pdf?src-supplier=Mouser, ComponentLink1URL=https://datasheet.ciiva.com/5556/rk73h-5556827.pdf?src-supplier=Mouser, ComponentLink2Description=https://datasheet.ciiva.com/48426/rk73h-series-eng-jap-tds-48426603.pdf?src-supplier=Distrelec, ComponentLink2URL=https://datasheet.ciiva.com/48426/rk73h-series-eng-jap-tds-48426603.pdf?src-supplier=Distrelec, ComponentLink3Description=https://datasheet.ciiva.com/7816/549017-7816815.pdf?src-supplier=Element14, ComponentLink3URL=https://datasheet.ciiva.com/7816/549017-7816815.pdf?src-supplier=Element14, Construction=Rectangular, Depth=0.8mm, Features="Moisture Resistant,Automotive AEC-Q200", Lead Free="Lead Free", Length=1.6mm, Manufacturer Part Number=RK73H1JTTD3R30F, Military Standard=Not, Number of Pins=2, Number of Terminations=2, Packaging="Tape and Reel", Pricing 1="1=0.1, 10=0.023, 50=0.0146, 100=0.0122, 500=0.00832, 1000=0.00717 (USD)", RoHS=Yes, RoHS Compliant=Yes, Series=RK73H, Stock 1=68759, Supplier 1=Digikey, Termination=SMD/SMT, Tolerance=1%
R2 R17 R23 R31 R33 R34 R35 R36 R37 R38 R39 R41 R42 R43 R44 R45 R46 R47 R48 R49 R50 R51 R52 R59 R60 R61 R62 R67 R74 R75 R88 R89 R92 R95 R106 R110 R111 R112 R113 R118 R159 R161: library part RES_0R_5%_100mW_0402, "SMD Chip Resistor, Jumper, 0 ohm, 100 mW, 0402 [1005 Metric], Thick Film, General Purpose", Case Code (Imperial)=0402, Case Code (Metric)=1005, Manufacturer=Panasonic, Max Operating Temperature=155°C, Max Power Dissipation=100mW, Min Operating Temperature=-55°C, Package Quantity=10000, Ratings=AEC-Q200, Resistance=0R, Resistor Type="Thick Film", Supplier Part Number 1=667-ERJ-2GE0R00X, Temperature Coefficient=600ppm/°C, Tolerance=5%, Voltage Rating=50V, Case/Package=0402, Category="Chip SMD Resistors", ComponentLink1Description=https://datasheet.ciiva.com/11821/0900766b80f806dd-11821176.pdf?src-supplier=Rs, ComponentLink1URL=https://datasheet.ciiva.com/11821/0900766b80f806dd-11821176.pdf?src-supplier=Rs, ComponentLink2Description=https://datasheet.ciiva.com/43460/1678796-43460347.pdf?src-supplier=Farnell, ComponentLink2URL=https://datasheet.ciiva.com/43460/1678796-43460347.pdf?src-supplier=Farnell, ComponentLink3Description=https://datasheet.ciiva.com/46389/1678796-46389518.pdf?src-supplier=Element14, ComponentLink3URL=https://datasheet.ciiva.com/46389/1678796-46389518.pdf?src-supplier=Element14, ComponentLink4Description=https://datasheet.ciiva.com/5959/1678796-5959692.pdf?src-supplier=Farnell, ComponentLink4URL=https://datasheet.ciiva.com/5959/1678796-5959692.pdf?src-supplier=Farnell, ComponentLink5Description=https://datasheet.ciiva.com/28695/1678796-28695758.pdf?src-supplier=Element14, ComponentLink5URL=https://datasheet.ciiva.com/28695/1678796-28695758.pdf?src-supplier=Element14, ComponentLink6Description=https://datasheet.ciiva.com/16783/70260739-16783734.pdf?src-supplier=Allied+Electronics, ComponentLink6URL=https://datasheet.ciiva.com/16783/70260739-16783734.pdf?src-supplier=Allied+Electronics, ComponentLink7Description=https://datasheet.ciiva.com/16778/70260739-16778335.pdf?src-supplier=Allied+Electronics, ComponentLink7URL=https://datasheet.ciiva.com/16778/70260739-16778335.pdf?src-supplier=Allied+Electronics, ComponentLink8Description=https://datasheet.ciiva.com/48531/aoa0000ce1-48531077.pdf?src-supplier=Avnet, ComponentLink8URL=https://datasheet.ciiva.com/48531/aoa0000ce1-48531077.pdf?src-supplier=Avnet, ComponentLink9Description=https://datasheet.ciiva.com/30097/4aoa0000ce1-30097116.pdf?src-supplier=Onlinecomponents.com, ComponentLink9URL=https://datasheet.ciiva.com/30097/4aoa0000ce1-30097116.pdf?src-supplier=Onlinecomponents.com, Construction=Rectangular, Contact Plating=Tin, Depth=0.5mm, Features="Automotive AEC-Q200", Height=0.35mm, Lead Free="Lead Free", Length=1mm, Manufacturer Part Number=ERJ-2GE0R00X, Military Standard=Not, Mount="Surface Mount", Number of Terminations=2, Packaging="Cut Tape", Power Rating=100mW, Pricing 1="1=0.1, 10=0.013, 50=0.013, 100=0.006, 1000=0.004, 2500=0.003, 10000=0.003 (USD)", Radiation Hardening=No, Reach SVHC Compliant=No, RoHS=Yes, RoHS Compliant=Yes, Series=ERJ, Size Code=0402, Stock 1=10989354, Supplier 1=Mouser, Technology="THICK FILM", Termination=SMD/SMT, Voltage Rating (DC)=50V, Width=0.5mm
R3 R18 R72 R73 R162: library part RES_1M_1%_63mW_0402, "Res Thick Film 0402 1M Ohm 1% 1/16W ±100ppm/°C Molded SMD SMD Paper Tape on Plastic Reel", Case Code (Imperial)=0402, Case Code (Metric)=1005, Manufacturer=Bourns, Max Operating Temperature=125°C, Max Power Dissipation=63mW, Min Operating Temperature=-55°C, Package Quantity=10000, Power Rating=62.5mW, Resistance=1M, Supplier Part Number 1=CR0402-FX-1004GLFCT-ND, Temperature Coefficient=100ppm/°C, Tolerance=1%, Voltage Rating=50V, Case/Package=0402, Category="Chip SMD Resistors", ComponentLink1Description=http://www.mouser.com/ds/2/54/CR0402-72074.pdf?src-supplier=Mouser, ComponentLink1URL=http://www.mouser.com/ds/2/54/CR0402-72074.pdf?src-supplier=Mouser, ComponentLink2Description=http://www.farnell.com/datasheets/2194437.pdf?src-supplier=Farnell, ComponentLink2URL=http://www.farnell.com/datasheets/2194437.pdf?src-supplier=Farnell, ComponentLink3Description=http://components.arrow.com/part/dataview/41873878S8356545N1506?src-supplier=Arrow+Electronics, ComponentLink3URL=http://components.arrow.com/part/dataview/41873878S8356545N1506?src-supplier=Arrow+Electronics, ComponentLink4Description=https://datasheet.octopart.com/CR0402-FX-1004GLF-Bourns-datasheet-68301632.pdf?src-supplier=Farnell, ComponentLink4URL=https://datasheet.octopart.com/CR0402-FX-1004GLF-Bourns-datasheet-68301632.pdf?src-supplier=Farnell, ComponentLink5Description=http://www.bourns.com/pdfs/CR0402.pdf?src-supplier=Avnet, ComponentLink5URL=http://www.bourns.com/pdfs/CR0402.pdf?src-supplier=Avnet, ComponentLink6Description=https://www.bourns.com/docs/Product-Datasheets/CR0402.pdf?src-supplier=Digi-Key, ComponentLink6URL=https://www.bourns.com/docs/Product-Datasheets/CR0402.pdf?src-supplier=Digi-Key, ComponentLink7Description=http://www.farnell.com/datasheets/2194437.pdf?src-supplier=Element14, ComponentLink7URL=http://www.farnell.com/datasheets/2194437.pdf?src-supplier=Element14, ComponentLink8Description=http://www.farnell.com/datasheets/2194437.pdf?src-supplier=Newark, ComponentLink8URL=http://www.farnell.com/datasheets/2194437.pdf?src-supplier=Newark, ComponentLink9Description=https://datasheet.octopart.com/CR0402-FX-1004GLF-Bourns-datasheet-159578630.pdf?src-supplier=Electro+Sonic, ComponentLink9URL=https://datasheet.octopart.com/CR0402-FX-1004GLF-Bourns-datasheet-159578630.pdf?src-supplier=Electro+Sonic, ComponentLink10Description=https://datasheet.octopart.com/CR0402-FX-1004GLF-Bourns-datasheet-140567134.pdf?src-supplier=Arrow.cn, ComponentLink10URL=https://datasheet.octopart.com/CR0402-FX-1004GLF-Bourns-datasheet-140567134.pdf?src-supplier=Arrow.cn, Contact Plating=Tin, Height=0.35mm, Length=1mm, Manufacturer Part Number=CR0402-FX-1004GLF, Mount="Surface Mount", Number of Terminations=2, Packaging="Tape and Reel", Pricing 1="1=0.1, 10=0.012, 50=0.0064, 100=0.0052, 500=0.00332, 1000=0.0028, 5000=0.00193 (USD)", Radiation Hardening=No, RoHS=Yes, RoHS Compliant=Yes, Series=CR0402, Stock 1=506989, Supplier 1=Digi-Key, Termination=SMD/SMT, Thickness=356um, Voltage Rating (DC)=50V, Width=0.5mm
R4 R5: library part RES_44.2K_1%_100mW_0402, "SMD Chip Resistor, 44.2 kOhm, ± 1%, 100 mW, 0402 [1005 Metric], Thick Film, Precision", Case Code (Imperial)=0402, Case Code (Metric)=1005, Manufacturer=Panasonic, Max Operating Temperature=155°C, Max Power Dissipation=100mW, Min Operating Temperature=-55°C, Package Quantity=1, Ratings=AEC-Q200, Resistance=44.2K, Resistance Tolerance=1%, Resistor Type="Thick Film", Supplier Part Number 1=P44.2KLDKR-ND, Temperature Coefficient=100ppm/°C, Voltage Rating=50V, Case/Package=0402, Category="Chip SMD Resistors", ComponentLink1Description=https://datasheet.ciiva.com/6201/426256-6201371.pdf?src-supplier=Farnell, ComponentLink1URL=https://datasheet.ciiva.com/6201/426256-6201371.pdf?src-supplier=Farnell, ComponentLink2Description=https://datasheet.ciiva.com/43460/426256-43460329.pdf?src-supplier=Farnell, ComponentLink2URL=https://datasheet.ciiva.com/43460/426256-43460329.pdf?src-supplier=Farnell, ComponentLink3Description=https://datasheet.ciiva.com/9189/aoa0000ce2-9189558.pdf?src-supplier=Avnet, ComponentLink3URL=https://datasheet.ciiva.com/9189/aoa0000ce2-9189558.pdf?src-supplier=Avnet, ComponentLink4Description=https://datasheet.ciiva.com/24068/aoa0000ce2-24068685.pdf?src-supplier=Mouser, ComponentLink4URL=https://datasheet.ciiva.com/24068/aoa0000ce2-24068685.pdf?src-supplier=Mouser, ComponentLink5Description=https://datasheet.ciiva.com/46377/426256-46377851.pdf?src-supplier=Element14, ComponentLink5URL=https://datasheet.ciiva.com/46377/426256-46377851.pdf?src-supplier=Element14, ComponentLink6Description=https://datasheet.ciiva.com/30202/aoa0000ce2-30202310.pdf?src-supplier=Onlinecomponents.com, ComponentLink6URL=https://datasheet.ciiva.com/30202/aoa0000ce2-30202310.pdf?src-supplier=Onlinecomponents.com, ComponentLink7Description=https://datasheet.ciiva.com/28685/1678782-28685308.pdf?src-supplier=Element14, ComponentLink7URL=https://datasheet.ciiva.com/28685/1678782-28685308.pdf?src-supplier=Element14, ComponentLink8Description=https://datasheet.ciiva.com/16440/aoa0000ce2-16440205.pdf?src-supplier=Future+Electronics, ComponentLink8URL=https://datasheet.ciiva.com/16440/aoa0000ce2-16440205.pdf?src-supplier=Future+Electronics, ComponentLink9Description=https://datasheet.ciiva.com/16758/70260748-16758632.pdf?src-supplier=Allied+Electronics, ComponentLink9URL=https://datasheet.ciiva.com/16758/70260748-16758632.pdf?src-supplier=Allied+Electronics, ComponentLink10Description=https://datasheet.ciiva.com/16782/70260748-16782984.pdf?src-supplier=Allied+Electronics, ComponentLink10URL=https://datasheet.ciiva.com/16782/70260748-16782984.pdf?src-supplier=Allied+Electronics, Construction=Rectangular, Contact Plating=Tin, Depth=0.5mm, Features="Automotive AEC-Q200", Height=0.35mm, Lead Free="Lead Free", Length=1mm, Manufacturer Part Number=ERJ-2RKF4422X, Military Standard=Not, Mount="Surface Mount", Number of Terminations=2, Packaging="Tape and Reel", Power Rating=100mW, Pricing 1="1=0.1, 10=0.024, 50=0.0152, 100=0.0125, 500=0.0084, 1000=0.0072, 5000=0.00523 (USD)", Reach SVHC Compliant=No, RoHS=Yes, RoHS Compliant=Yes, Series=ERJ, Size Code=0402, Stock 1=103952, Supplier 1=Digikey, Technology="THICK FILM", Termination=SMD/SMT, Tolerance=1%, Voltage Rating (DC)=50V, Width=0.5mm